# EAGLE board Mk4 Final Panel 6up 3x2 (EAGLE 9.0.1), part 13 of 18
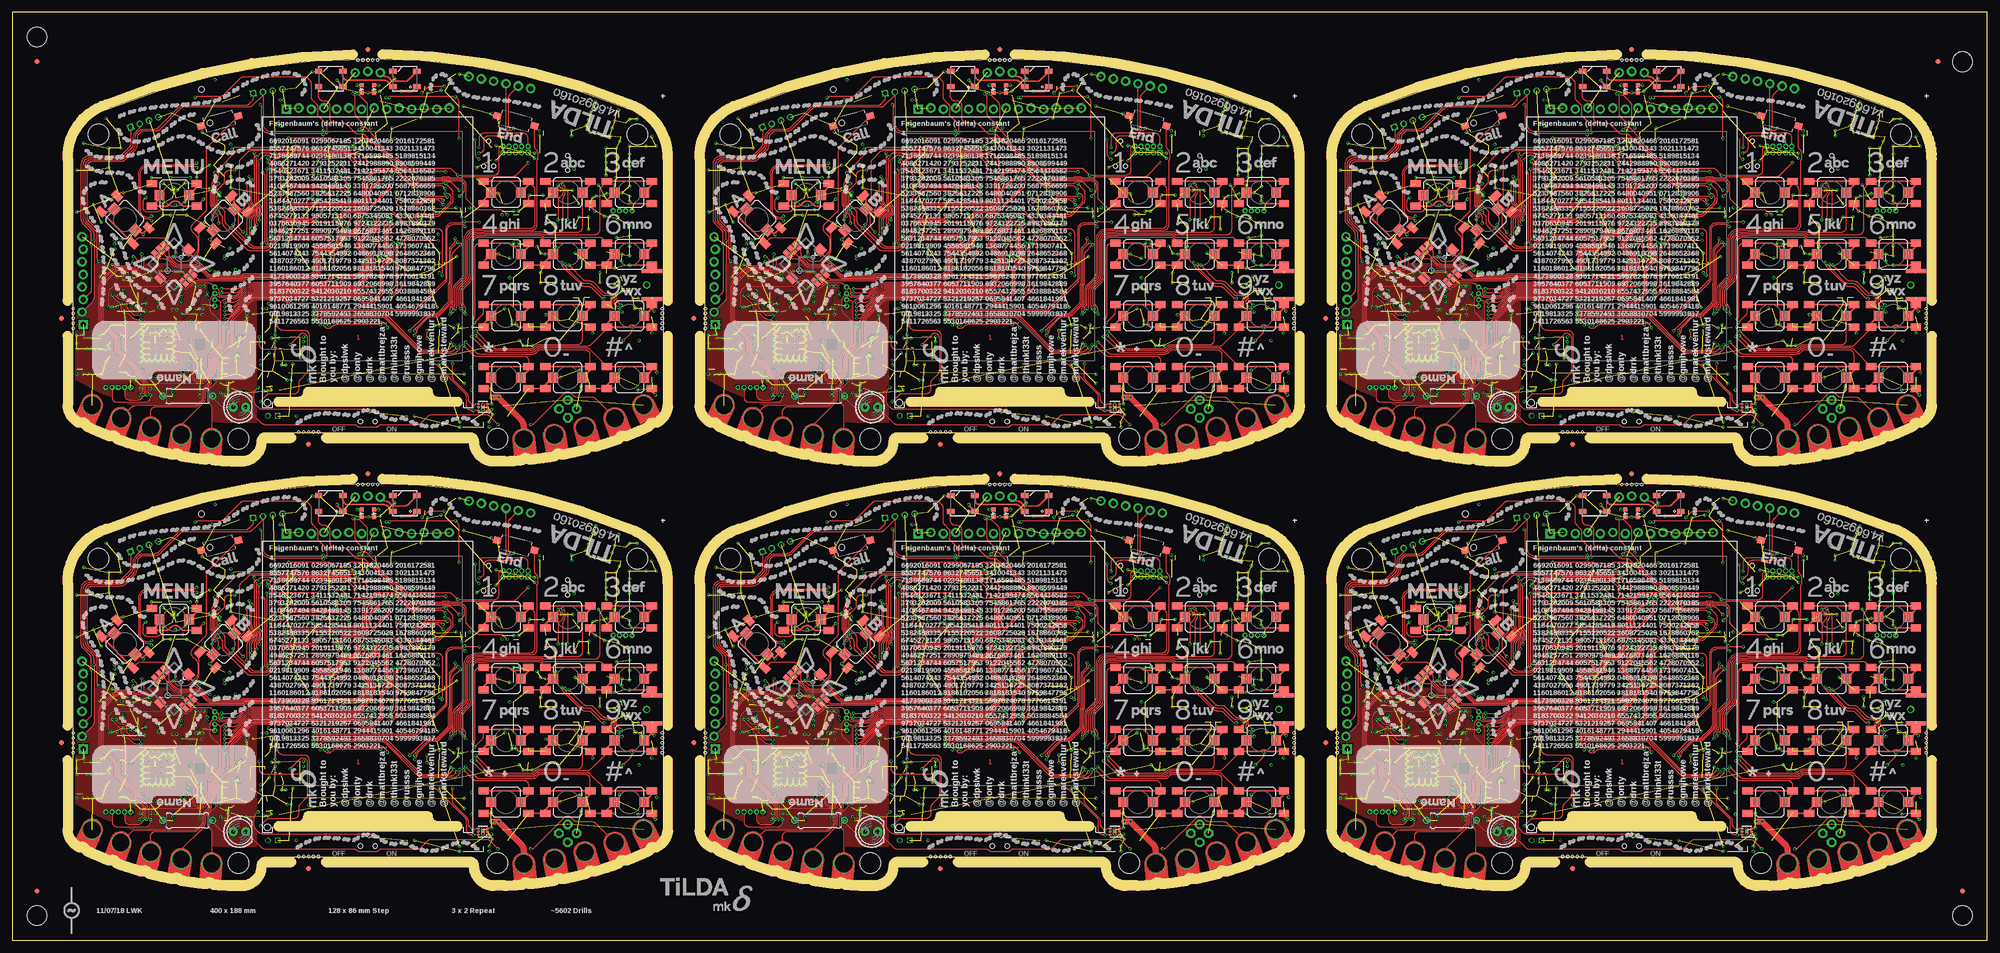
[diagram p0: board, top side]
## Tracks (layer width: path | path; a pad name or v marks a point on that pad's centre or on a via) (continued)
SDRAM_A45  (via drill 0.3) (continued)
  Bottom 0.15: v196.25,151.25 196.71,150.79 arc-45 197,150.09 IC56.24 | v175.5,153.25 181.42,153.25 arc-45 181.56,153.19 181.59,153.16 arc45 181.73,153.1 IC55.11 182.77,153.1 arc45 182.91,153.16 182.94,153.19 arc-45 183.08,153.25 v183.5,153.25 | IC55.31 171.7,142.7 arc-45 171.82,142.75 v175.5,142.75
SDRAM_A46  (via drill 0.3)
  Top 0.15: v196.3,150.3 194.49,152.11 arc45 193.79,152.4 191.43,152.4 arc-45 191.28,152.46 191.28,152.47 arc45 191.13,152.53 184.94,152.53 arc45 184.23,152.23 v183.5,151.5 | v175,151.5 175,148.83 arc-45 174.71,148.12 174.14,147.56 arc45 173.85,146.85 173.85,144.81 arc45 174.14,144.11 v174.75,143.5
  Bottom 0.15: v183.5,151.5 IC55.13 v175,151.5 | IC55.32 v174.75,143.5 | IC56.25 196.6,145.26 196.62,145.28 196.62,149.56 arc45 196.33,150.27 v196.3,150.3
SDRAM_A47  (via drill 0.3)
  Top 0.15: v189.75,146.1 v189.74,146.09 arc-45 189.04,145.8 183.75,145.8 arc90 182.5,144.55 182.5,143.5 arc-45 182.21,142.79 179.88,140.47 arc-45 179.18,140.18 176.74,140.18 arc-45 176.03,140.47 v172.25,144.25 171.29,145.21 arc-45 171,145.91 171,147.33 arc45 170.71,148.03 169.47,149.27 arc-45 169.4,149.45 169.4,150.69 arc-45 169.55,151.05 v170,151.5
  Bottom 0.15: IC55.42 v170,151.5 | IC55.33 171.7,144.3 arc45 171.82,144.25 v172.25,144.25 | IC56.40 191.66,147.6 arc45 190.96,147.31 v189.75,146.1
SDRAM_A48  (via drill 0.3)
  Top 0.15: v169.75,145.25 169.75,146.34 arc45 169.46,147.05 169.38,147.12 arc-45 169.16,147.65 169.16,148.58 arc45 169.09,148.76 168.87,148.98 arc-45 168.8,149.16 168.8,151.24 arc-45 168.95,151.59 169.02,151.67 arc45 169.16,152.02 169.16,152.25 arc-45 169.46,152.96 v169.75,153.25 | v190.65,147.75 189.32,146.42 arc-45 188.61,146.12 183.5,146.12 arc90 182,144.62 182,143.42 arc-45 181.71,142.72 179.76,140.77 arc-45 179.05,140.47 177.2,140.47 arc-45 176.49,140.77 173.04,144.22 arc-45 172.75,144.92 v172.75,145
  Bottom 0.15: IC55.44 170.65,153.1 170.65,153.1 arc45 170.29,153.25 v169.75,153.25 | v169.75,145.25 170.29,145.25 arc-45 170.65,145.1 IC55.34 172.51,145.1 arc-45 v172.75,145 | IC56.41 191.25,148 arc45 v190.65,147.75
SDRAM_A49  (via drill 0.3)
  Top 0.15: v183.5,144.25 183.57,144.18 193.35,144.18 arc45 194.06,144.47 194.9,145.31 arc45 195.05,145.66 v195.05,145.8 | v176.5,144.25 176.5,145.95 arc-45 176.79,146.65 177.48,147.34 arc90 177.48,148.4 176.79,149.09 arc-45 176.5,149.8 v176.5,154
  Bottom 0.15: IC55.45 171.82,153.9 arc45 171.96,153.96 arc-45 172.06,154 v176.5,154 | v183.5,144.25 183,144.25 182.95,144.3 IC55.22 181.8,144.3 arc-45 181.68,144.25 v176.5,144.25 | IC56.50 193.54,151.6 arc-45 194.24,151.31 194.76,150.79 arc-45 195.05,150.09 v195.05,145.8
SDRAM_A50  (via drill 0.3)
  Top 0.15: v169,146.75 169,147.08 168.86,147.22 168.86,148.46 arc45 168.79,148.64 168.57,148.85 arc-45 168.5,149.03 168.5,151.37 arc-45 168.65,151.72 168.72,151.79 arc45 168.86,152.14 168.86,152.95 arc-45 169.16,153.66 169.46,153.96 arc45 169.75,154.66 v169.75,156.25 173.53,160.03 arc-45 174.24,160.32 184.73,160.32 184.79,160.38 arc-90 186.21,160.38 186.42,160.18 196.97,160.18 arc-45 v197.47,159.97
  Bottom 0.15: IC55.48 170.55,156.3 170.5,156.25 v169.75,156.25 | IC55.36 170.55,146.7 170.5,146.75 v169,146.75 | v197.47,159.97 197.8,159.64 IC56.75
SDRAM_A51  (via drill 0.3)
  Top 0.15: v169,155.5 169,154.41 arc-45 168.71,153.71 arc45 168.5,153.21 168.5,152.49 168.53,152.47 168.53,152.1 arc-45 168.47,151.98 168.47,151.97 168.35,151.84 arc45 168.2,151.49 168.2,148.91 arc45 168.27,148.73 168.4,148.6 arc-45 168.47,148.42 168.47,146.53 168.5,146.51 v168.5,146 | v181.25,146.75 182.68,148.18 arc45 182.97,148.89 182.97,149.71 arc-45 183.27,150.42 184.46,151.61 arc-45 185.16,151.9 189.94,151.9 arc-45 190.64,151.61 190.96,151.29 arc45 191.66,151 v193.75,151
  Bottom 0.15: IC55.47 v169,155.5 | v168.5,146 170.42,146 arc-45 170.56,145.94 170.6,145.9 IC55.35 176.49,145.9 arc45 177.19,146.19 177.46,146.46 arc-45 178.16,146.75 v181.25,146.75 | IC56.49 193.27,151.2 arc-45 v193.75,151
SDRAM_A52  (via drill 0.3)
  Top 0.15: v305,73.5 v305,73.49 304.98,73.47 304.98,68.27 305.02,68.22 305.02,63.7 arc45 305.32,62.99 305.73,62.58 arc-90 305.73,61.17 305.27,60.7 arc45 304.98,60 304.98,58.52 305.02,58.47 305.02,58.03 305,58.01 v305,57.5 | v320.3,57.5 319.99,57.19 arc-45 319.29,56.9 312.51,56.9 arc-45 311.81,57.19 v311.5,57.5
  Bottom 0.15: IC73.2 306.21,74.3 arc45 305.51,74.01 v305,73.5 | IC74.29 323,58.02 arc90 322.5,58.52 322.12,58.52 | v311.5,57.5 IC73.23 v305,57.5 | 322.12,58.52 | 322.12,58.52 321.68,58.52 arc45 321.08,58.28 v320.3,57.5
SDRAM_A53  (via drill 0.3)
  Top 0.15: v320.3,56.75 arc-45 319.94,56.6 311.86,56.6 arc-45 v311.5,56.75 | v307.75,72.5 308.11,72.14 arc-45 308.4,71.44 308.4,70.13 arc45 308.44,70.03 arc-45 308.5,69.89 v308.5,56.75
  Bottom 0.15: v307.75,72.5 arc-45 308.23,72.7 IC73.4 | IC74.30 322.6,57.98 arc90 322.35,58.23 321.68,58.23 arc45 321.33,58.08 321.21,57.96 arc45 321,57.45 arc-90 v320.3,56.75 | v311.5,56.75 311.07,56.75 arc45 310.95,56.7 IC73.24 309.8,56.7 309.75,56.75 v308.5,56.75
SDRAM_A54  (via drill 0.3)
  Top 0.15: v307.7,71.75 307.73,71.72 arc-45 308.02,71.01 308.02,58.4 307.98,58.35 307.98,56.02 v308,56 | v320.3,56 v320.29,56.01 arc45 319.59,56.3 312.21,56.3 arc45 v311.51,56.01 v311.5,56
  Bottom 0.15: v307.7,71.75 arc-45 308.06,71.9 IC73.5 | v311.5,56 311.08,56 arc45 310.94,55.94 310.9,55.9 IC73.25 309.85,55.9 309.81,55.94 arc45 309.67,56 v308,56 | IC74.31 322.2,55.85 arc-90 321.7,55.35 320.8,55.35 arc-90 320.3,55.85 v320.3,56 v320.3,55.99
SDRAM_A55  (via drill 0.3)
  Top 0.15: v307.5,70.25 307.48,70.22 307.48,55.27 v307.5,55.25 | v311.5,55.25 311.96,55.71 arc-45 312.66,56 319.14,56 arc-45 319.84,55.71 320.02,55.53 arc90 320.73,55.53 v321.2,56
  Bottom 0.15: v311.5,55.25 311,55.25 310.85,55.1 IC73.26 309.9,55.1 309.81,55.19 arc45 309.67,55.25 v307.5,55.25 | v321.2,56 321.3,56 arc90 321.8,56.5 IC74.32 | v307.5,70.25 307.52,70.25 307.57,70.2 308.61,70.2 arc-45 308.75,70.14 308.77,70.11 arc90 309.84,70.11 310.02,70.3 IC73.7
SDRAM_A56  (via drill 0.3)
  Top 0.15: v311.5,69.5 312.58,68.42 arc45 313.29,68.12 322.71,68.12 arc-45 323.42,67.83 v324.25,67 | v306.75,69.5 306.95,69.3 arc-45 307.1,68.94 307.1,55.76 arc-45 306.95,55.4 v306.55,55
  Bottom 0.15: IC74.22 325.8,65.04 arc45 325.51,65.74 v324.25,67 | v306.75,69.5 IC73.8 v311.5,69.5 | IC73.29 299.59,55.1 arc-45 299.69,55.06 arc45 299.83,55 v306.55,55
SDRAM_A57  (via drill 0.3)
  Top 0.15: v304,68.75 303.98,68.72 303.98,67.58 arc45 304.02,67.48 arc-45 304.07,67.34 304.07,63.8 arc45 304.37,63.09 305.24,62.23 arc-90 305.24,61.52 304.27,60.55 arc45 303.98,59.85 303.98,57.4 304.02,57.35 304.02,56.02 v304,56 | v324.25,66 323.54,66.71 arc45 322.84,67 319.67,67 arc-45 319.53,67.06 319.52,67.07 arc45 319.38,67.12 312.79,67.12 arc-45 312.08,67.42 v311.5,68
  Bottom 0.15: v324.25,66 325.11,65.14 arc-45 325.4,64.44 IC74.23 | v304,68.75 304.09,68.75 arc-45 304.79,68.46 304.96,68.29 arc45 305.66,68 309.42,68 arc-45 309.56,67.94 arc45 309.66,67.9 IC73.10 310.82,67.9 arc45 310.96,67.96 arc-45 311.06,68 v311.5,68 | IC73.30 299.59,55.9 arc45 299.69,55.94 arc-45 299.83,56 v304,56
SDRAM_A58  (via drill 0.3)
  Top 0.15: v303.5,67.25 303.5,65.74 303.52,65.72 303.52,63.93 arc45 303.82,63.22 304.99,62.05 arc-90 304.99,61.7 303.79,60.5 arc45 303.5,59.8 v303.5,56.75 | v324.25,65.25 323.09,66.41 arc45 322.39,66.7 319.55,66.7 arc-45 319.41,66.76 319.4,66.77 arc45 319.26,66.83 312.34,66.83 arc-45 311.63,67.12 v311.5,67.25
  Bottom 0.15: v324.25,65.25 324.71,64.79 arc-45 325,64.09 IC74.24 | v303.5,67.25 309.42,67.25 arc-45 309.56,67.19 309.59,67.16 arc45 309.73,67.1 IC73.11 310.77,67.1 arc45 310.91,67.16 310.94,67.19 arc-45 311.08,67.25 v311.5,67.25 | IC73.31 299.7,56.7 arc-45 299.82,56.75 v303.5,56.75
SDRAM_A59  (via drill 0.3)
  Top 0.15: v324.3,64.3 322.49,66.11 arc45 321.79,66.4 319.43,66.4 arc-45 319.28,66.46 319.28,66.47 arc45 319.13,66.53 312.94,66.53 arc45 312.23,66.23 v311.5,65.5 | v303,65.5 303,62.83 arc-45 302.71,62.12 302.14,61.56 arc45 301.85,60.85 301.85,58.81 arc45 302.14,58.11 v302.75,57.5
  Bottom 0.15: v311.5,65.5 IC73.13 v303,65.5 | IC73.32 v302.75,57.5 | IC74.25 324.6,59.26 324.62,59.28 324.62,63.56 arc45 324.33,64.27 v324.3,64.3
SDRAM_A60  (via drill 0.3)
  Top 0.15: v317.75,60.1 v317.74,60.09 arc-45 317.04,59.8 311.75,59.8 arc90 310.5,58.55 310.5,57.5 arc-45 310.21,56.79 307.88,54.47 arc-45 307.18,54.17 304.74,54.17 arc-45 304.03,54.47 v300.25,58.25 299.29,59.21 arc-45 299,59.91 299,61.33 arc45 298.71,62.03 297.47,63.27 arc-45 297.4,63.45 297.4,64.69 arc-45 297.55,65.05 v298,65.5
  Bottom 0.15: IC73.42 v298,65.5 | IC73.33 299.7,58.3 arc45 299.82,58.25 v300.25,58.25 | IC74.40 319.66,61.6 arc45 318.96,61.31 v317.75,60.1
SDRAM_A61  (via drill 0.3)
  Top 0.15: v297.75,59.25 297.75,60.34 arc45 297.46,61.05 297.38,61.12 arc-45 297.16,61.65 297.16,62.58 arc45 297.09,62.76 296.87,62.98 arc-45 296.8,63.16 296.8,65.24 arc-45 296.95,65.59 297.02,65.67 arc45 297.16,66.02 297.16,66.25 arc-45 297.46,66.96 v297.75,67.25 | v318.65,61.75 317.32,60.42 arc-45 316.61,60.12 311.5,60.12 arc90 310,58.62 310,57.42 arc-45 309.71,56.72 307.76,54.77 arc-45 307.05,54.48 305.2,54.48 arc-45 304.49,54.77 301.04,58.22 arc-45 300.75,58.92 v300.75,59
  Bottom 0.15: IC73.44 298.65,67.1 298.65,67.1 arc45 298.29,67.25 v297.75,67.25 | v297.75,59.25 298.29,59.25 arc-45 298.65,59.1 IC73.34 300.51,59.1 arc-45 v300.75,59 | IC74.41 319.25,62 arc45 v318.65,61.75
SDRAM_A62  (via drill 0.3)
  Top 0.15: v311.5,58.25 311.57,58.17 321.35,58.17 arc45 322.06,58.47 322.9,59.31 arc45 323.05,59.66 v323.05,59.8 | v304.5,58.25 304.5,59.95 arc-45 304.79,60.65 305.48,61.34 arc90 305.48,62.4 304.79,63.09 arc-45 304.5,63.8 v304.5,68
  Bottom 0.15: IC73.45 299.82,67.9 arc45 299.96,67.96 arc-45 300.06,68 v304.5,68 | v311.5,58.25 311,58.25 310.95,58.3 IC73.22 309.8,58.3 arc-45 309.68,58.25 v304.5,58.25 | IC74.50 321.54,65.6 arc-45 322.24,65.31 322.76,64.79 arc-45 323.05,64.09 v323.05,59.8
SDRAM_A63  (via drill 0.3)
  Top 0.15: v297,60.75 297,61.08 296.86,61.22 296.86,62.46 arc45 296.79,62.64 296.57,62.85 arc-45 296.5,63.03 296.5,65.37 arc-45 296.65,65.72 296.72,65.79 arc45 296.86,66.14 296.86,66.95 arc-45 297.16,67.66 297.46,67.96 arc45 297.75,68.66 v297.75,70.25 301.53,74.03 arc-45 302.24,74.33 312.73,74.33 312.79,74.38 arc-90 314.21,74.38 314.42,74.17 324.97,74.17 arc-45 v325.47,73.97
  Bottom 0.15: IC73.48 298.55,70.3 298.5,70.25 v297.75,70.25 | IC73.36 298.55,60.7 298.5,60.75 v297,60.75 | v325.47,73.97 325.8,73.64 IC74.75
SDRAM_A64  (via drill 0.3)
  Top 0.15: v297,69.5 297,68.41 arc-45 296.71,67.71 arc45 296.5,67.21 296.5,66.49 296.52,66.47 296.52,66.1 arc-45 296.48,65.98 296.48,65.97 296.35,65.84 arc45 296.2,65.49 296.2,62.91 arc45 296.27,62.73 296.4,62.6 arc-45 296.48,62.42 296.48,60.53 296.5,60.51 v296.5,60 | v309.25,60.75 310.68,62.18 arc45 310.98,62.89 310.98,63.71 arc-45 311.27,64.42 312.46,65.61 arc-45 313.16,65.9 317.94,65.9 arc-45 318.64,65.61 318.96,65.29 arc45 319.66,65 v321.75,65
  Bottom 0.15: IC73.47 v297,69.5 | v296.5,60 298.42,60 arc-45 298.56,59.94 298.6,59.9 IC73.35 304.49,59.9 arc45 305.19,60.19 305.46,60.46 arc-45 306.16,60.75 v309.25,60.75 | IC74.49 321.27,65.2 arc-45 v321.75,65
SDRAM_A78  (via drill 0.3)
  Top 0.15: v305,159.5 v305,159.49 304.98,159.47 304.98,154.27 305.02,154.22 305.02,149.7 arc45 305.32,148.99 305.73,148.58 arc-90 305.73,147.17 305.27,146.71 arc45 304.98,146 304.98,144.52 305.02,144.47 305.02,144.03 305,144.01 v305,143.5 | v320.3,143.5 319.99,143.19 arc-45 319.29,142.9 312.51,142.9 arc-45 311.81,143.19 v311.5,143.5
  Bottom 0.15: IC109.2 306.21,160.3 arc45 305.51,160.01 v305,159.5 | IC110.29 323,144.03 arc90 322.5,144.53 322.12,144.53 | v311.5,143.5 IC109.23 v305,143.5 | 322.12,144.53 | 322.12,144.53 321.68,144.53 arc45 321.08,144.28 v320.3,143.5
SDRAM_A79  (via drill 0.3)
  Top 0.15: v320.3,142.75 arc-45 319.94,142.6 311.86,142.6 arc-45 v311.5,142.75 | v307.75,158.5 308.11,158.14 arc-45 308.4,157.44 308.4,156.13 arc45 308.44,156.03 arc-45 308.5,155.89 v308.5,142.75
  Bottom 0.15: v307.75,158.5 arc-45 308.23,158.7 IC109.4 | IC110.30 322.6,143.97 arc90 322.35,144.22 321.68,144.22 arc45 321.33,144.08 321.21,143.96 arc45 321,143.45 arc-90 v320.3,142.75 | v311.5,142.75 311.07,142.75 arc45 310.95,142.7 IC109.24 309.8,142.7 309.75,142.75 v308.5,142.75
SDRAM_A80  (via drill 0.3)
  Top 0.15: v307.7,157.75 307.73,157.72 arc-45 308.02,157.01 308.02,144.4 307.98,144.35 307.98,142.03 v308,142 | v320.3,142 v320.29,142.01 arc45 319.59,142.3 312.21,142.3 arc45 v311.51,142.01 v311.5,142
  Bottom 0.15: v307.7,157.75 arc-45 308.06,157.9 IC109.5 | v311.5,142 311.08,142 arc45 310.94,141.94 310.9,141.9 IC109.25 309.85,141.9 309.81,141.94 arc45 309.67,142 v308,142 | IC110.31 322.2,141.85 arc-90 321.7,141.35 320.8,141.35 arc-90 320.3,141.85 v320.3,142 v320.3,141.99
SDRAM_A81  (via drill 0.3)
  Top 0.15: v307.5,156.25 307.48,156.22 307.48,141.28 v307.5,141.25 | v311.5,141.25 311.96,141.71 arc-45 312.66,142 319.14,142 arc-45 319.84,141.71 320.02,141.53 arc90 320.73,141.53 v321.2,142
  Bottom 0.15: v311.5,141.25 311,141.25 310.85,141.1 IC109.26 309.9,141.1 309.81,141.19 arc45 309.67,141.25 v307.5,141.25 | v321.2,142 321.3,142 arc90 321.8,142.5 IC110.32 | v307.5,156.25 307.52,156.25 307.57,156.2 308.61,156.2 arc-45 308.75,156.14 308.77,156.11 arc90 309.84,156.11 310.02,156.3 IC109.7
SDRAM_A82  (via drill 0.3)
  Top 0.15: v311.5,155.5 312.58,154.42 arc45 313.29,154.12 322.71,154.12 arc-45 323.42,153.83 v324.25,153 | v306.75,155.5 306.95,155.3 arc-45 307.1,154.94 307.1,141.76 arc-45 306.95,141.4 v306.55,141
  Bottom 0.15: IC110.22 325.8,151.04 arc45 325.51,151.74 v324.25,153 | v306.75,155.5 IC109.8 v311.5,155.5 | IC109.29 299.59,141.1 arc-45 299.69,141.06 arc45 299.83,141 v306.55,141
SDRAM_A83  (via drill 0.3)
  Top 0.15: v304,154.75 303.98,154.72 303.98,153.58 arc45 304.02,153.48 arc-45 304.07,153.34 304.07,149.8 arc45 304.37,149.09 305.24,148.23 arc-90 305.24,147.52 304.27,146.55 arc45 303.98,145.85 303.98,143.4 304.02,143.35 304.02,142.03 v304,142 | v324.25,152 323.54,152.71 arc45 322.84,153 319.67,153 arc-45 319.53,153.06 319.52,153.07 arc45 319.38,153.12 312.79,153.12 arc-45 312.08,153.42 v311.5,154
  Bottom 0.15: v324.25,152 325.11,151.14 arc-45 325.4,150.44 IC110.23 | v304,154.75 304.09,154.75 arc-45 304.79,154.46 304.96,154.29 arc45 305.66,154 309.42,154 arc-45 309.56,153.94 arc45 309.66,153.9 IC109.10 310.82,153.9 arc45 310.96,153.96 arc-45 311.06,154 v311.5,154 | IC109.30 299.59,141.9 arc45 299.69,141.94 arc-45 299.83,142 v304,142
SDRAM_A84  (via drill 0.3)
  Top 0.15: v303.5,153.25 303.5,151.74 303.52,151.72 303.52,149.93 arc45 303.82,149.22 304.99,148.05 arc-90 304.99,147.7 303.79,146.5 arc45 303.5,145.8 v303.5,142.75 | v324.25,151.25 323.09,152.41 arc45 322.39,152.7 319.55,152.7 arc-45 319.41,152.76 319.4,152.77 arc45 319.26,152.82 312.34,152.82 arc-45 311.63,153.12 v311.5,153.25
  Bottom 0.15: v324.25,151.25 324.71,150.79 arc-45 325,150.09 IC110.24 | v303.5,153.25 309.42,153.25 arc-45 309.56,153.19 309.59,153.16 arc45 309.73,153.1 IC109.11 310.77,153.1 arc45 310.91,153.16 310.94,153.19 arc-45 311.08,153.25 v311.5,153.25 | IC109.31 299.7,142.7 arc-45 299.82,142.75 v303.5,142.75
SDRAM_A85  (via drill 0.3)
  Top 0.15: v324.3,150.3 322.49,152.11 arc45 321.79,152.4 319.43,152.4 arc-45 319.28,152.46 319.28,152.47 arc45 319.13,152.53 312.94,152.53 arc45 312.23,152.23 v311.5,151.5 | v303,151.5 303,148.83 arc-45 302.71,148.12 302.14,147.56 arc45 301.85,146.85 301.85,144.81 arc45 302.14,144.11 v302.75,143.5
  Bottom 0.15: v311.5,151.5 IC109.13 v303,151.5 | IC109.32 v302.75,143.5 | IC110.25 324.6,145.26 324.62,145.28 324.62,149.56 arc45 324.33,150.27 v324.3,150.3
SDRAM_A86  (via drill 0.3)
  Top 0.15: v317.75,146.1 v317.74,146.09 arc-45 317.04,145.8 311.75,145.8 arc90 310.5,144.55 310.5,143.5 arc-45 310.21,142.79 307.88,140.47 arc-45 307.18,140.18 304.74,140.18 arc-45 304.03,140.47 v300.25,144.25 299.29,145.21 arc-45 299,145.91 299,147.33 arc45 298.71,148.03 297.47,149.27 arc-45 297.4,149.45 297.4,150.69 arc-45 297.55,151.05 v298,151.5
  Bottom 0.15: IC109.42 v298,151.5 | IC109.33 299.7,144.3 arc45 299.82,144.25 v300.25,144.25 | IC110.40 319.66,147.6 arc45 318.96,147.31 v317.75,146.1
SDRAM_A87  (via drill 0.3)
  Top 0.15: v297.75,145.25 297.75,146.34 arc45 297.46,147.05 297.38,147.12 arc-45 297.16,147.65 297.16,148.58 arc45 297.09,148.76 296.87,148.98 arc-45 296.8,149.16 296.8,151.24 arc-45 296.95,151.59 297.02,151.67 arc45 297.16,152.02 297.16,152.25 arc-45 297.46,152.96 v297.75,153.25 | v318.65,147.75 317.32,146.42 arc-45 316.61,146.12 311.5,146.12 arc90 310,144.62 310,143.42 arc-45 309.71,142.72 307.76,140.77 arc-45 307.05,140.47 305.2,140.47 arc-45 304.49,140.77 301.04,144.22 arc-45 300.75,144.92 v300.75,145
  Bottom 0.15: IC109.44 298.65,153.1 298.65,153.1 arc45 298.29,153.25 v297.75,153.25 | v297.75,145.25 298.29,145.25 arc-45 298.65,145.1 IC109.34 300.51,145.1 arc-45 v300.75,145 | IC110.41 319.25,148 arc45 v318.65,147.75
SDRAM_A88  (via drill 0.3)
  Top 0.15: v311.5,144.25 311.57,144.18 321.35,144.18 arc45 322.06,144.47 322.9,145.31 arc45 323.05,145.66 v323.05,145.8 | v304.5,144.25 304.5,145.95 arc-45 304.79,146.65 305.48,147.34 arc90 305.48,148.4 304.79,149.09 arc-45 304.5,149.8 v304.5,154
  Bottom 0.15: IC109.45 299.82,153.9 arc45 299.96,153.96 arc-45 300.06,154 v304.5,154 | v311.5,144.25 311,144.25 310.95,144.3 IC109.22 309.8,144.3 arc-45 309.68,144.25 v304.5,144.25 | IC110.50 321.54,151.6 arc-45 322.24,151.31 322.76,150.79 arc-45 323.05,150.09 v323.05,145.8
SDRAM_A89  (via drill 0.3)
  Top 0.15: v297,146.75 297,147.08 296.86,147.22 296.86,148.46 arc45 296.79,148.64 296.57,148.85 arc-45 296.5,149.03 296.5,151.37 arc-45 296.65,151.72 296.72,151.79 arc45 296.86,152.14 296.86,152.95 arc-45 297.16,153.66 297.46,153.96 arc45 297.75,154.66 v297.75,156.25 301.53,160.03 arc-45 302.24,160.32 312.73,160.32 312.79,160.38 arc-90 314.21,160.38 314.42,160.18 324.97,160.18 arc-45 v325.47,159.97
  Bottom 0.15: IC109.48 298.55,156.3 298.5,156.25 v297.75,156.25 | IC109.36 298.55,146.7 298.5,146.75 v297,146.75 | v325.47,159.97 325.8,159.64 IC110.75
SDRAM_A90  (via drill 0.3)
  Top 0.15: v297,155.5 297,154.41 arc-45 296.71,153.71 arc45 296.5,153.21 296.5,152.49 296.52,152.47 296.52,152.1 arc-45 296.48,151.98 296.48,151.97 296.35,151.84 arc45 296.2,151.49 296.2,148.91 arc45 296.27,148.73 296.4,148.6 arc-45 296.48,148.42 296.48,146.53 296.5,146.51 v296.5,146 | v309.25,146.75 310.68,148.18 arc45 310.98,148.89 310.98,149.71 arc-45 311.27,150.42 312.46,151.61 arc-45 313.16,151.9 317.94,151.9 arc-45 318.64,151.61 318.96,151.29 arc45 319.66,151 v321.75,151
  Bottom 0.15: IC109.47 v297,155.5 | v296.5,146 298.42,146 arc-45 298.56,145.94 298.6,145.9 IC109.35 304.49,145.9 arc45 305.19,146.19 305.46,146.46 arc-45 306.16,146.75 v309.25,146.75 | IC110.49 321.27,151.2 arc-45 v321.75,151
SDRAM_BA0  (via drill 0.3)
  Top 0.15: v50,60 50,60.38 arc-45 50.15,60.73 50.29,60.88 arc90 50.29,62.87 arc-45 50,63.57 v50,72 50.73,72.73 arc-45 51.44,73.03 51.76,73.03 arc-45 52.11,72.88 52.17,72.82 arc45 52.52,72.67 53.39,72.67 arc45 53.74,72.82 53.92,73.01 arc-45 54.63,73.3 56.96,73.3 57.15,73.11 arc90 57.85,73.11 58.02,73.28 67.69,73.28 arc-45 68.05,73.13 68.25,72.93 arc45 68.45,72.84 arc-45 68.8,72.7 v70,71.5
  Bottom 0.15: IC2.50 49.9,71.9 v50,72 | IC2.20 53.91,59.9 arc-45 53.81,59.94 arc45 53.67,60 v50,60 | v70,71.5 arc45 70.2,71.98 IC1.76
SDRAM_BA1  (via drill 0.3)
  Top 0.15: v49.5,59 49.48,59.02 49.48,60.07 arc-45 49.77,60.78 49.98,60.99 arc90 49.98,62.76 49.77,62.97 arc-45 49.48,63.67 49.48,72.72 v49.5,72.75 49.96,73.21 arc-45 50.66,73.5 52.09,73.5 arc-45 52.8,73.21 52.88,73.13 arc90 53.62,73.13 53.8,73.31 arc-45 54.51,73.6 56.86,73.6 57.15,73.89 arc-90 57.85,73.89 58.17,73.58 67.82,73.58 arc-45 68.17,73.43 68.31,73.29 arc45 68.66,73.15 69.5,73.15 arc-90 70.5,72.15 70.5,72.1 arc45 v70.75,71.5
  Bottom 0.15: v49.5,59 54.28,59 IC2.21 | v49.5,72.75 49.45,72.7 IC2.51 | v70.75,71.5 arc-45 70.6,71.86 IC1.77
SDRAM_BA2  (via drill 0.3)
  Top 0.15: v177.5,59 177.47,59.02 177.47,60.07 arc-45 177.77,60.78 177.98,60.99 arc90 177.98,62.76 177.77,62.97 arc-45 177.47,63.67 177.47,72.72 v177.5,72.75 177.96,73.21 arc-45 178.66,73.5 180.09,73.5 arc-45 180.8,73.21 180.88,73.13 arc90 181.62,73.13 181.8,73.31 arc-45 182.51,73.6 184.86,73.6 185.15,73.89 arc-90 185.85,73.89 186.17,73.58 195.82,73.58 arc-45 196.17,73.43 196.31,73.29 arc45 196.66,73.15 197.5,73.15 arc-90 198.5,72.15 198.5,72.1 arc45 v198.75,71.5
  Bottom 0.15: v177.5,59 182.28,59 IC19.21 | v177.5,72.75 177.45,72.7 IC19.51 | v198.75,71.5 arc-45 198.6,71.86 IC20.77
SDRAM_BA3  (via drill 0.3)
  Top 0.15: v178,60 178,60.38 arc-45 178.15,60.73 178.29,60.88 arc90 178.29,62.87 arc-45 178,63.57 v178,72 178.73,72.73 arc-45 179.44,73.03 179.76,73.03 arc-45 180.11,72.88 180.17,72.82 arc45 180.53,72.67 181.38,72.67 arc45 181.74,72.82 181.92,73.01 arc-45 182.63,73.3 184.96,73.3 185.15,73.11 arc90 185.85,73.11 186.02,73.28 195.69,73.28 arc-45 196.05,73.13 196.25,72.93 arc45 196.45,72.84 arc-45 196.8,72.7 v198,71.5
  Bottom 0.15: IC19.50 177.9,71.9 v178,72 | IC19.20 181.91,59.9 arc-45 181.81,59.94 arc45 181.67,60 v178,60 | v198,71.5 arc45 198.2,71.98 IC20.76
SDRAM_BA4  (via drill 0.3)
  Top 0.15: v49.5,145 49.48,145.03 49.48,146.07 arc-45 49.77,146.78 49.98,146.99 arc90 49.98,148.76 49.77,148.97 arc-45 49.48,149.67 49.48,158.72 v49.5,158.75 49.96,159.21 arc-45 50.66,159.5 52.09,159.5 arc-45 52.8,159.21 52.88,159.13 arc90 53.62,159.13 53.8,159.31 arc-45 54.51,159.6 56.86,159.6 57.15,159.89 arc-90 57.85,159.89 58.17,159.57 67.82,159.57 arc-45 68.17,159.43 68.31,159.29 arc45 68.66,159.15 69.5,159.15 arc-90 70.5,158.15 70.5,158.1 arc45 v70.75,157.5
  Bottom 0.15: v49.5,145 54.28,145 IC37.21 | v49.5,158.75 49.45,158.7 IC37.51 | v70.75,157.5 arc-45 70.6,157.86 IC38.77
SDRAM_BA5  (via drill 0.3)
  Top 0.15: v50,146 50,146.38 arc-45 50.15,146.74 50.29,146.88 arc90 50.29,148.87 arc-45 50,149.57 v50,158 50.73,158.73 arc-45 51.44,159.03 51.76,159.03 arc-45 52.11,158.88 52.17,158.82 arc45 52.52,158.68 53.39,158.68 arc45 53.74,158.82 53.92,159.01 arc-45 54.63,159.3 56.96,159.3 57.15,159.11 arc90 57.85,159.11 58.02,159.28 67.69,159.28 arc-45 68.05,159.13 68.25,158.93 arc45 68.45,158.84 arc-45 68.8,158.7 v70,157.5
  Bottom 0.15: IC37.50 49.9,157.9 v50,158 | IC37.20 53.91,145.9 arc-45 53.81,145.94 arc45 53.67,146 v50,146 | v70,157.5 arc45 70.2,157.98 IC38.76
SDRAM_BA6  (via drill 0.3)
  Top 0.15: v177.5,145 177.47,145.03 177.47,146.07 arc-45 177.77,146.78 177.98,146.99 arc90 177.98,148.76 177.77,148.97 arc-45 177.47,149.67 177.47,158.72 v177.5,158.75 177.96,159.21 arc-45 178.66,159.5 180.09,159.5 arc-45 180.8,159.21 180.88,159.13 arc90 181.62,159.13 181.8,159.31 arc-45 182.51,159.6 184.86,159.6 185.15,159.89 arc-90 185.85,159.89 186.17,159.57 195.82,159.57 arc-45 196.17,159.43 196.31,159.29 arc45 196.66,159.15 197.5,159.15 arc-90 198.5,158.15 198.5,158.1 arc45 v198.75,157.5
  Bottom 0.15: v177.5,145 182.28,145 IC55.21 | v177.5,158.75 177.45,158.7 IC55.51 | v198.75,157.5 arc-45 198.6,157.86 IC56.77
SDRAM_BA7  (via drill 0.3)
  Top 0.15: v178,146 178,146.38 arc-45 178.15,146.74 178.29,146.88 arc90 178.29,148.87 arc-45 178,149.57 v178,158 178.73,158.73 arc-45 179.44,159.03 179.76,159.03 arc-45 180.11,158.88 180.17,158.82 arc45 180.53,158.68 181.38,158.68 arc45 181.74,158.82 181.92,159.01 arc-45 182.63,159.3 184.96,159.3 185.15,159.11 arc90 185.85,159.11 186.02,159.28 195.69,159.28 arc-45 196.05,159.13 196.25,158.93 arc45 196.45,158.84 arc-45 196.8,158.7 v198,157.5
  Bottom 0.15: IC55.50 177.9,157.9 v178,158 | IC55.20 181.91,145.9 arc-45 181.81,145.94 arc45 181.67,146 v178,146 | v198,157.5 arc45 198.2,157.98 IC56.76
SDRAM_BA8  (via drill 0.3)
  Top 0.15: v305.5,59 305.48,59.02 305.48,60.07 arc-45 305.77,60.78 305.98,60.99 arc90 305.98,62.76 305.77,62.97 arc-45 305.48,63.67 305.48,72.72 v305.5,72.75 305.96,73.21 arc-45 306.66,73.5 308.09,73.5 arc-45 308.8,73.21 308.88,73.13 arc90 309.62,73.13 309.8,73.31 arc-45 310.51,73.6 312.86,73.6 313.15,73.89 arc-90 313.85,73.89 314.17,73.58 323.82,73.58 arc-45 324.17,73.43 324.31,73.29 arc45 324.66,73.15 325.5,73.15 arc-90 326.5,72.15 326.5,72.1 arc45 v326.75,71.5
  Bottom 0.15: v305.5,59 310.28,59 IC73.21 | v305.5,72.75 305.45,72.7 IC73.51 | v326.75,71.5 arc-45 326.6,71.86 IC74.77
SDRAM_BA9  (via drill 0.3)
  Top 0.15: v306,60 306,60.38 arc-45 306.15,60.73 306.29,60.88 arc90 306.29,62.87 arc-45 306,63.57 v306,72 306.73,72.73 arc-45 307.44,73.03 307.76,73.03 arc-45 308.11,72.88 308.17,72.82 arc45 308.52,72.67 309.38,72.67 arc45 309.74,72.82 309.92,73.01 arc-45 310.63,73.3 312.96,73.3 313.15,73.11 arc90 313.85,73.11 314.02,73.28 323.69,73.28 arc-45 324.05,73.13 324.25,72.93 arc45 324.45,72.84 arc-45 324.8,72.7 v326,71.5
  Bottom 0.15: IC73.50 305.9,71.9 v306,72 | IC73.20 309.91,59.9 arc-45 309.81,59.94 arc45 309.67,60 v306,60 | v326,71.5 arc45 326.2,71.98 IC74.76